# Altium PCB PCBDesign.PcbDoc (part 2 of 8) (continued)
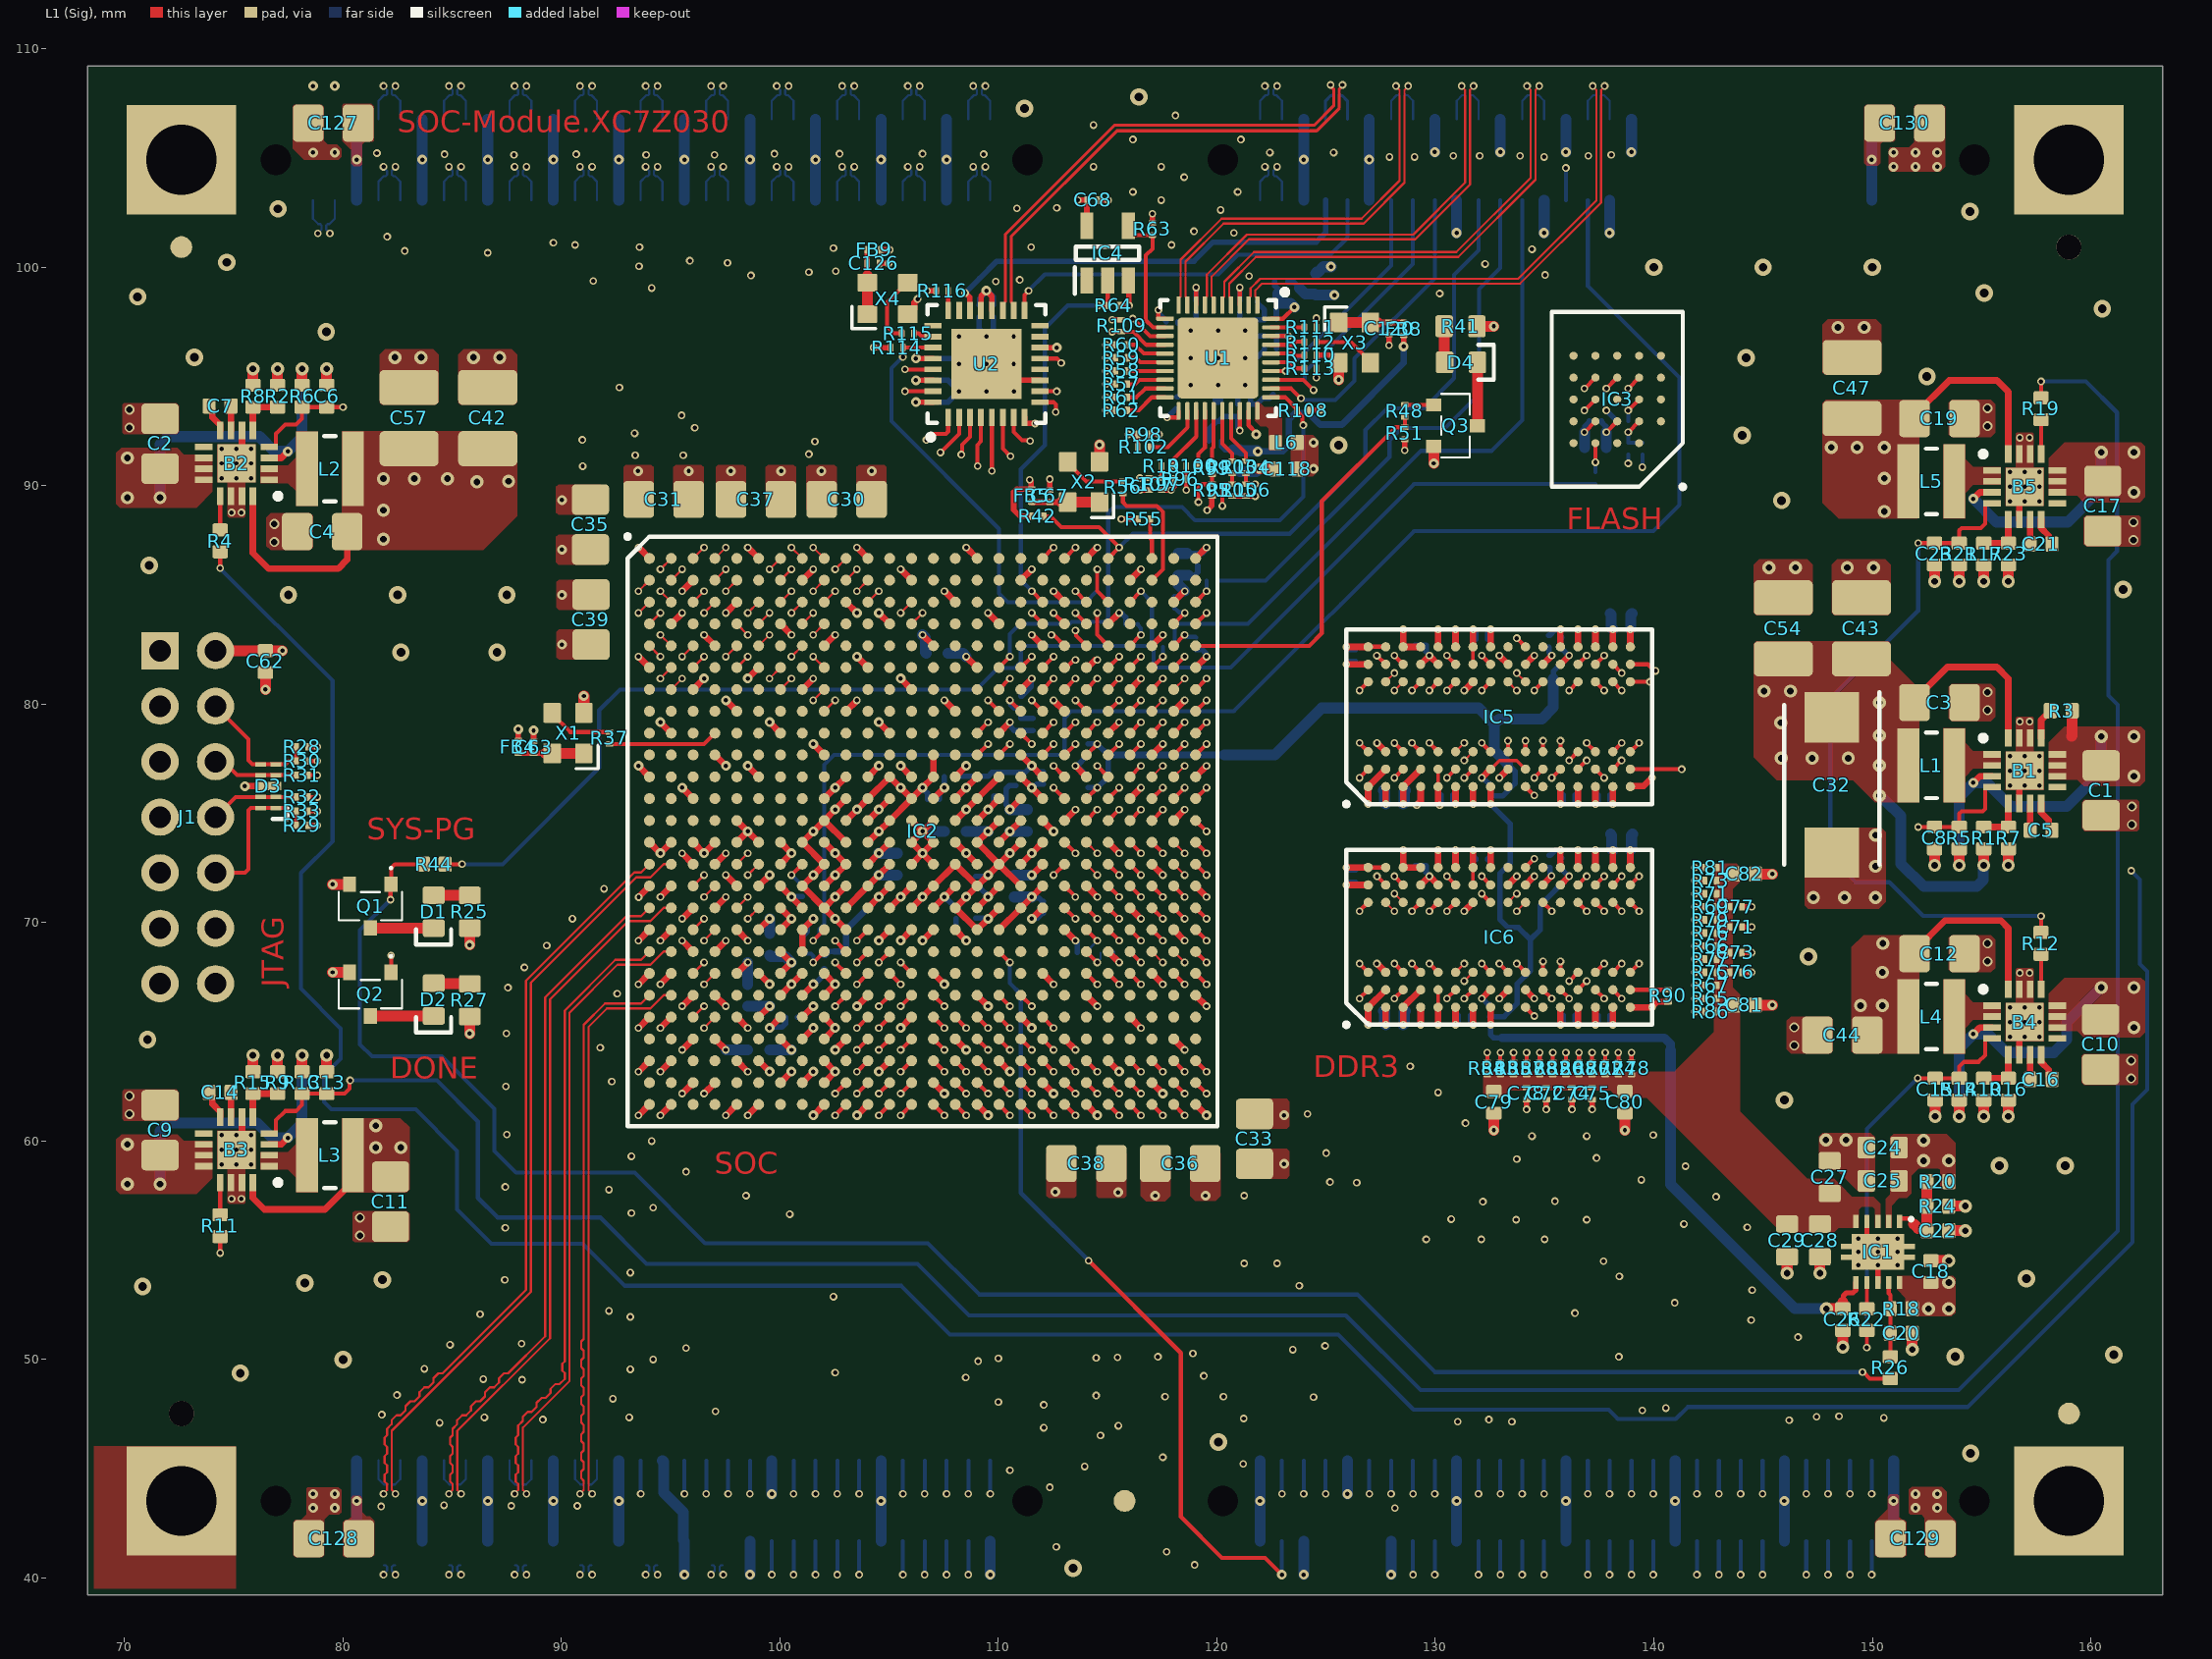
[diagram p0: L1 (Sig) view]
## Nets (pads, with @x,y where several pads share a name; then routed paths per layer and width w, separated by ;. In a path a pad name is that pad's centre, name@x,y a point inside that pad or via, vN(x,y) a via of type N, cw(c..) or ccw(c..) an arc to the next point about the centre after c; other vN are vias at no path point) (continued)
  L1 (Sig) w0.5: v3(155.1,61.125) R10.2@155.1,61.875
  L10 (Sig) w0.25: R91.2@115.225,68.625 115.225,68.475 v1(115.525,68.175) ; v1(125.925,71.725) 125.952,71.725 126.077,71.85 C101.2@126.35,71.85 ; v1(125.925,81.825) 125.952,81.825 126.077,81.95 C93.2@126.35,81.95 ; C102.2@128.525,72.6 v1(128.525,73.325) ; C91.2@128.525,82.7 v1(128.525,83.425) ; C100.2@130.125,72.6 v1(130.125,73.325) ; C87.2@130.125,82.7 v1(130.125,83.425) ; C88.2@130.8,75.85 130.8,75.577 130.925,75.452 v1(130.925,75.425) ; v1(130.925,65.325) 130.925,65.352 131.05,65.477 C99.2@131.05,65.75 ; v1(132.125,66.525) 132.15,66.525 132.425,66.25 C94.2@132.475,66.25 ; v1(132.125,76.625) 132.144,76.606 132.194,76.606 132.45,76.35 C83.2@132.5,76.35 ; C98.2@132.4,72.875 132.4,72.925 132.525,73.05 v1(132.525,73.325) ; C92.2@132.4,82.975 132.4,83.273 132.525,83.398 v1(132.525,83.425) ; C103.2@136.4,65.75 136.4,65.477 136.525,65.352 v1(136.525,65.325) ; C89.2@136.4,75.85 136.4,75.577 136.525,75.452 v1(136.525,75.425) ; C104.2@138,65.75 138,65.477 138.125,65.352 v1(138.125,65.325) ; C90.2@138,75.85 138,75.577 138.125,75.452 v1(138.125,75.425)
  L10 (Sig) w0.5: v1(128.525,65.325) 128.575,65.375 128.575,65.9 C97.2@128.625,65.95 ; v1(128.525,75.425) 128.575,75.475 128.575,76 C85.2@128.625,76.05 ; C86.2@138,84.15 138.05,84.1 138.05,83.5 v1(138.125,83.425) ; C96.2@138.025,74.05 138.075,74 138.075,73.375 v1(138.125,73.325)
  other v1: 119.525,77.177
  other v3: 152.35,59.1 153.5,59.1 152.35,60.025 149.463,66.2 150.462,66.2 150.463,67.725 150.475,69.048
+3V3: B5.16 C18.2 C19.2 C33.2 C36.2 C38.2 C45.2 C46.2 C47.2 C62.2 C65.2 C66.2 C68.2 C105.2 C106.2 C113.2 C121.2 C122.2 FB6.2 IC1.10 IC2.A26 IC2.AA16 IC2.AA26 IC2.AB13 IC2.AB23 IC2.AC10 IC2.AC20 IC2.AD17 IC2.AE14 IC2.AE24 IC2.AF11 IC2.AF21 IC2.B23 IC2.E24 IC2.T7 IC2.U8 IC2.V8 IC2.V12 IC2.V14 IC2.W8 IC2.Y19 IC3.B4 IC4.5 J1.2 L5.2 R17.2 R18.2 R21.1 R25.2 R27.2 R28.2 R29.2 R34.2 R35.2 R36.2 R41.2 R46.2 R55.1 R63.2 U1.29 U2.20 U2.21 | length 46.7
  L1 (Sig) w0.185: v1(136.825,92.45) IC3.B4@137.325,92.95
  L1 (Sig) w0.2: U1.29@121.45,93.425 121.45,92.768 121.8,92.418 v2(121.8,92.35)
  L1 (Sig) w0.25: R29.2@78.4,74.45 v1(78.825,74.45) ; R28.2@78.4,78.05 v1(78.825,78.05) ; U2.21@109.2,98.025 109.2,98.675 v2(109.45,98.925) 109.7,98.675 U2.20@109.7,98.025 ; v1(115.625,88.475) R55.1@116.4,88.475 ; R63.2@117.05,102.025 v1(117.05,102.45)
  L1 (Sig) w0.255: v1(113.625,103.075) C68.2@114.05,103.075 IC4.5@114.05,101.896
  L1 (Sig) w0.3: IC2.T7@100.025,71.675 v2(100.525,71.175) IC2.U8@101.025,70.675 ; IC2.W8@101.025,68.675 IC2.V8@101.025,69.675 v2(101.525,70.175) ; v2(102.525,64.175) IC2.AC10@103.025,64.675 ; v2(103.525,61.175) IC2.AF11@104.025,61.675 ; v2(104.525,69.175) IC2.V12@105.025,69.675 ; v2(105.525,65.175) IC2.AB13@106.025,65.675 ; v2(106.525,69.175) IC2.V14@107.025,69.675 ; IC2.AE14@107.025,62.675 v2(107.525,62.175) ; IC2.AA16@109.025,66.675 v2(109.525,66.175) ; IC2.AD17@110.025,63.675 v2(110.525,63.175) ; IC2.Y19@112.025,67.675 v1(112.525,67.175) ; IC2.AC20@113.025,64.675 v1(113.525,64.175) ; IC2.AF21@114.025,61.675 v2(114.525,61.175) ; IC2.AB23@116.025,65.675 v1(116.525,65.175) ; IC2.B23@116.025,85.675 v1(116.525,86.175) ; IC2.AE24@117.025,62.675 v2(117.525,62.175) ; IC2.E24@117.025,82.675 v1(117.525,83.175) ; IC2.AA26@119.025,66.675 v1(119.525,66.175) ; IC2.A26@119.025,86.675 v1(119.525,87.175) ; C19.2@151.932,93.075 151.932,93.239 153.518,94.825 155.7,94.825 156.225,94.3 B5.16@156.225,91.45
  L1 (Sig) w0.5: J1.2@74.165,82.445 74.167,82.448 76.447,82.448 C62.2@76.45,82.45 v2(77.225,82.45) ; v2(85.8,64.925) R27.2@85.8,65.7 ; v2(85.8,68.975) R25.2@85.8,69.75 ; R41.2@131.9,97.3 v2(132.675,97.3) ; v3(153.975,85.625) R21.1@153.975,86.375 ; v3(155.1,85.625) R17.2@155.1,86.375
  L10 (Sig) w0.25: v2(100.525,71.175) 100.55,71.2 R34.2@101.025,71.2 ; R35.2@101.025,69.125 101.025,69.375 101.25,69.6 R36.2@101.25,69.65 101.25,69.925 101.5,70.175 v2(101.525,70.175) ; C122.2@109.125,98.275 109.146,98.275 109.146,98.566 109.45,98.871 v2(109.45,98.925) 109.5,98.925 109.775,98.65 C121.2@109.775,98.275 ; 118.8,86.9 C45.2@119.125,86.9 119.325,86.9 119.506,87.081 119.506,87.156 v1(119.525,87.175) ; FB6.2@123.25,99.35 123.25,99.3 123.55,99.3 123.65,99.2 ; v1(136.825,92.45) 136.844,92.469 136.844,92.719 137.05,92.925 C65.2@137.05,92.975 ; v1(137.825,93.45) 138.275,93 R46.2@138.275,92.95
  L10 (Sig) w0.5: C46.2@118.225,86.9 118.625,86.9 ; 123.775,99.05 124.05,98.775 124.475,98.775 C113.2@124.525,98.725 v2(125.375,98.725) ; C66.2@136.825,91.75 v1(136.825,92.45)
  other v2: 119.475,57.5 112.6,57.675 123.075,58.957
  other v3: 152.575,52.325 153.5,52.325 153.5,53.525 150.55,88.825 150.55,90.338 148.125,91.75 149.3,91.75 150.55,91.75
+3V3ETH: C110.1 C111.1 C112.2 FB6.1 U1.11 U1.40 | length 5.3
  L1 (Sig) w0.2: v1(117.325,98.05) 117.325,97.65 U1.11@117.625,97.65 ; U1.40@122.475,97.65 123.025,97.65 v2(123.55,98.175)
  L10 (Sig) w0.25: v1(117.325,98.05) 117.344,98.031 117.344,97.881 117.675,97.55 C111.1@117.675,97.5 ; FB6.1@122.65,99.35 122.65,99.15 122.8,99 C112.2@122.8,98.8 ; C110.1@122.722,97.652 122.722,98.297 C112.2@122.85,98.425
  L10 (Sig) w0.5: C112.2@122.8,98.8 122.8,98.475 122.85,98.425 122.85,98.4 122.9,98.35 123.375,98.35 v2(123.55,98.175)
+5V0: B1.3 B1.10 B1.11 B1.12 B2.3 B2.10 B2.11 B2.12 B3.3 B3.10 B3.11 B3.12 B4.3 B4.10 B4.11 B4.12 B5.3 B5.10 B5.11 B5.12 C1.2 C2.2 C9.2 C10.2 C17.2 C127.2 C128.2 C129.2 C130.2 J2.1 J2.2 J2.3 J2.4 J2.5 J2.6 J3.1 J3.2 J3.3 J3.4 J4.62 J4.64 J5.61 J5.62 J5.63 J5.64 R3.1 R5.1 R6.1 R13.1 R14.1 | length 67.7
  L1 (Sig) w0.3: B3.3@76.625,59.85 77.175,59.85 v2(77.475,60.15) ; B2.3@76.625,91.275 77.175,91.275 v2(77.475,91.575) ; v2(154.625,64.9) 154.925,65.2 B4.3@155.475,65.2 ; v2(154.625,76.4) 154.925,76.7 B1.3@155.475,76.7 ; v2(154.625,89.4) 154.925,89.7 B5.3@155.475,89.7
  L1 (Sig) w0.5: R13.1@78.125,63.175 v3(78.125,63.925) ; R6.1@78.125,94.6 v3(78.125,95.35) ; v3(153.975,61.125) R14.1@153.975,61.875 ; v3(153.975,72.625) R5.1@153.975,73.375 ; 159.125,78.525 159.15,78.55 R3.1@159.15,79.7
  L10 (Sig) w0.5: v3(71.625,58.025) 71.625,60.475 71.975,60.825 76.075,60.825 76.75,60.15 v2(77.475,60.15) 78.125,60.8 v3(78.125,63.925) ; v3(71.625,89.45) 71.625,91.9 71.975,92.25 76.175,92.25 76.85,91.575 v2(77.475,91.575) 78.125,92.225 v3(78.125,95.35) ; v3(153.975,61.125) 153.975,64.25 v2(154.625,64.9) 155.3,64.9 156.15,64.05 158.3,64.05 158.889,64.639 158.889,65.439 v3(160.475,67.025) ; v3(153.975,72.625) 153.975,75.75 v2(154.625,76.4) 155.25,76.4 156.336,75.314 158.889,75.314 160.475,76.9 v3(160.475,78.525) ; v2(154.625,89.4) 155.686,88.339 158.939,88.339 160.475,89.875 v3(160.475,91.525)
  other v2: 78.625,43.2 79.625,43.2 151.975,43.2 152.975,43.2 78.625,43.85 79.625,43.85 151.975,43.85 152.975,43.85 150.975,104.6 151.975,104.6 152.975,104.6 78.625,105.25 79.625,105.25 150.975,105.25 151.975,105.25 152.975,105.25 78.625,108.3 79.625,108.3
  other v3: 70.125,58.025 70.125,59.85 161.975,65.2 161.975,67.025 161.975,76.7 161.975,78.525 70.125,89.45 161.975,89.7 70.125,91.275 161.975,91.525
B1_CN: B1.8 C5.1 | length 1.4
  L1 (Sig) w0.3: B1.8@157.725,75.45 157.725,75.039 158.075,74.689 158.075,74.375 C5.1@158.225,74.225
B1_CP: B1.7 C5.2 | length 1.1
  L1 (Sig) w0.3: C5.2@157.225,74.225 157.225,75.1 B1.7@157.225,75.35
B1_EN: B1.13 R3.2 | length 1.5
  L1 (Sig) w0.3: B1.13@157.725,78.45 157.725,79.275 157.95,79.5 158,79.5 158.15,79.65 R3.2@158.15,79.7
B1_FB: B1.5 R1.1 R7.2 | length 2.2
  L1 (Sig) w0.3: R1.1@155.1,74.375 R7.2@156.225,74.375 B1.5@156.225,75.45
B1_PG: B1.4 C8.2 R4.2 R5.2 | length 155.9
  L1 (Sig) w0.185: v1(74.375,86.225) R4.2@74.375,86.975 ; v1@152.1,74.375 C8.2@152.85,74.375 R5.2@153.975,74.375 153.975,74.992 154.083,75.1 155.059,75.1 155.168,75.208 155.168,76.142 155.225,76.2 B1.4@155.475,76.2
  L5 (Sig) w0.11: v1(152.1,74.375) 159.85,74.375 v1(161.85,72.375)
  L10 (Sig) w0.185: v1(74.375,86.225) 79.525,81.075 79.525,73.725 78.075,72.275 78.075,66.975 79.9,65.15 79.9,63.775 79.125,63 79.125,61.8 79.475,61.45 83.325,61.45 85.225,59.55 85.225,56.875 86.8,55.3 90.975,55.3 92.9,53.375 105.55,53.375 107.775,51.15 125.55,51.15 129,47.7 137.925,47.7 138.35,47.275 141,47.275 141.55,47.825 154.35,47.825 161.9,55.375 161.9,61.675 162.575,62.35 162.575,67.775 162.25,68.1 162.25,71.975 v1(161.85,72.375)
B1_SW: B1.1 B1.2 L1.1
B2_CN: B2.8 C7.1 | length 1.3
  L1 (Sig) w0.3: C7.1@73.875,93.65 74.025,93.5 74.025,93.125 74.375,92.775 B2.8@74.375,92.525
B2_CP: B2.7 C7.2 | length 1.1
  L1 (Sig) w0.3: B2.7@74.875,92.525 74.875,92.775 C7.2@74.875,93.65
B2_EN: B2.13 R4.1 | length 1.3
  L1 (Sig) w0.185: R4.1@74.375,88.25 B2.13@74.375,89.525
B2_FB: B2.5 R2.1 R8.2 | length 2.2
  L1 (Sig) w0.3: B2.5@75.875,92.525 R8.2@75.875,93.6 R2.1@77,93.6
B2_PG: B2.4 C6.2 R6.2 R11.2 | length 47.1
  L1 (Sig) w0.185: v1(74.375,54.875) R11.2@74.375,55.625 ; B2.4@76.625,91.775 76.875,91.775 76.932,91.833 76.932,92.382 77.35,92.8 77.85,92.8 78.125,93.075 R6.2@78.125,93.6 C6.2@79.25,93.6 v1(80,93.6)
  L3 (Sig) w0.11: v1(74.375,54.875) 73.675,55.575 73.675,63.35 77.675,67.35 77.675,81.325 80,83.65 v1(80,93.6)
B2_SW: B2.1 B2.2 L2.1
B3_CN: B3.8 C14.1 | length 1.3
  L1 (Sig) w0.3: C14.1@73.875,62.225 74.025,62.075 74.025,61.7 74.375,61.35 B3.8@74.375,61.1
B3_CP: B3.7 C14.2 | length 1.1
  L1 (Sig) w0.3: B3.7@74.875,61.1 74.875,61.35 C14.2@74.875,62.225
B3_EN: B3.13 R11.1 | length 1.3
  L1 (Sig) w0.185: R11.1@74.375,56.825 B3.13@74.375,58.1
B3_FB: B3.5 R9.1 R15.2 | length 2.2
  L1 (Sig) w0.3: B3.5@75.875,61.1 R15.2@75.875,62.175 R9.1@77,62.175
B3_PG: B3.4 C13.2 R13.2 R19.2 | length 140
  L1 (Sig) w0.185: B3.4@76.625,60.35 76.875,60.35 76.932,60.408 76.932,60.957 77.35,61.375 77.85,61.375 78.125,61.65 R13.2@78.125,62.175 C13.2@79.25,62.175 80.075,62.175 80.293,62.393 80.293,62.743 v1(80.325,62.775) ; R19.2@157.725,94.025 v1(157.725,94.775)
  L10 (Sig) w0.185: v1(80.325,62.775) 84.3,62.775 86.175,60.9 86.175,57.4 87.075,56.5 91.775,56.5 93.9,54.375 106.3,54.375 108.65,52.025 125.9,52.025 129.325,48.6 153.95,48.6 161.225,55.875 161.225,79.975 160.8,80.4 160.8,86.6 161.2,87 161.2,93.35 159.775,94.775 v1(157.725,94.775)
B3_SW: B3.1 B3.2 L3.1
B4_CN: B4.8 C16.1 | length 1
  L1 (Sig) w0.3: B4.8@157.725,63.612 158.075,63.262 158.075,62.975 C16.1@158.225,62.825
B4_CP: B4.7 C16.2 | length 1.1
  L1 (Sig) w0.3: C16.2@157.225,62.825 157.225,63.7 B4.7@157.225,63.95
B4_EN: B4.13 R12.1 | length 1.6
  L1 (Sig) w0.185: B4.13@157.725,66.95 R12.1@157.725,68.55
B4_FB: B4.5 R10.1 R16.2 | length 2.2
  L1 (Sig) w0.3: R10.1@155.1,62.875 R16.2@156.225,62.875 B4.5@156.225,63.95
B4_PG: B4.4 C15.2 R14.2 R22.1 | length 18.9
  L1 (Sig) w0.185: v1(149.75,50.55) R22.1@149.75,51.325 ; v1(152.075,62.875) C15.2@152.875,62.875 R14.2@153.975,62.875 153.975,63.407 154.193,63.625 154.861,63.625 155.168,63.931 155.168,64.642 155.225,64.7 B4.4@155.475,64.7
  L10 (Sig) w0.185: v1(149.75,50.55) 149.75,60.55 v1(152.075,62.875)
B4_SW: B4.1 B4.2 L4.1
B5_CN: B5.8 C21.1 | length 1.3
  L1 (Sig) w0.3: B5.8@157.725,88.45 157.725,88.064 158.075,87.714 158.075,87.701 158.075,87.475 C21.1@158.225,87.325
B5_CP: B5.7 C21.2 | length 1.1
  L1 (Sig) w0.3: C21.2@157.225,87.325 157.225,88.2 B5.7@157.225,88.45
B5_EN: B5.13 R19.1 | length 1.6
  L1 (Sig) w0.185: B5.13@157.725,91.45 R19.1@157.725,93.025
B5_FB: B5.5 R17.1 R23.2 | length 2.2
  L1 (Sig) w0.3: R17.1@155.1,87.375 R23.2@156.225,87.375 B5.5@156.225,88.45
B5_PG: B5.4 C23.2 R12.2 R21.2 | length 32.5
  L1 (Sig) w0.185: v1(152.1,87.375) C23.2@152.85,87.375 R21.2@153.975,87.375 153.975,87.956 154.083,88.064 154.964,88.064 155.168,88.268 155.168,89.143 155.225,89.2 B5.4@155.475,89.2 ; R12.2@157.725,69.55 v1(157.725,70.3)
  L10 (Sig) w0.185: v1(152.1,87.375) 152.1,84.275 148.075,80.25 148.075,73 149.225,71.85 150.775,71.85 152.325,70.3 v1(157.725,70.3)
B5_SW: B5.1 B5.2 L5.1
B12_IO1N: IC2.Y11 J5.30 | length 52.2
  L1 (Sig) w0.185: v1(103.525,67.175) IC2.Y11@104.025,67.675
  L5 (Sig) w0.11: v1(95.625,43.85) 95.625,43.239 95.689,43.175 96.686,43.175 96.75,43.111 96.75,40.739 96.686,40.675 94.689,40.675 94.625,40.739 94.625,44.95 94.625,45.515 94.689,45.579 95.736,45.579 95.787,45.63 95.787,46.038 95.736,46.089 94.661,46.089 94.61,46.14 94.61,46.548 94.661,46.599 95.736,46.599 95.787,46.65 95.787,47.058 95.736,47.109 94.661,47.109 94.61,47.16 94.61,47.568 94.661,47.619 95.736,47.619 95.787,47.67 95.787,48.078 95.736,48.129 94.661,48.129 94.61,48.18 94.61,48.588 94.661,48.639 95.736,48.639 95.787,48.69 95.787,49.098 95.736,49.149 94.689,49.149 94.625,49.214 94.625,49.637 94.625,51.961 94.689,52.025 99.211,52.025 99.275,52.089 99.275,53.411 99.339,53.475 100.486,53.475 100.55,53.539 100.55,54.05 100.025,54.575 100.025,64.35 101.325,65.65 101.825,65.65 102.05,65.875 102.05,66.275 102.45,66.675 103.461,66.675 103.525,66.739 v1(103.525,67.175)
  L10 (Sig) w0.185: v1(95.625,43.85) J5.30@95.625,45.375
B12_IO1P: IC2.Y12 J5.7 | length 51.7
  L1 (Sig) w0.185: IC2.Y12@105.025,67.675 v1(105.525,67.175)
  L5 (Sig) w0.11: v1(105.525,67.175) 106.525,66.175 106.525,55.125 110.1,51.55 119.2,51.55 119.85,50.9 119.85,48.075 119.425,47.65 113.575,47.65 113.15,47.225 113.15,43.475 111.875,42.2 108.05,42.2 106.625,40.775 v1(106.625,40.15)
  L10 (Sig) w0.185: v1(106.625,40.15) J5.7@106.625,41.675
B12_IO2N: IC2.AC11 J3.47 | length 48
  L1 (Sig) w0.185: v1(103.525,64.175) IC2.AC11@104.025,64.675
  L7 (Sig) w0.11: v1(103.525,64.175) 103.025,63.675 103.025,57.675 108.775,51.925 119.3,51.925 123.55,47.675 129.7,47.675 129.975,47.4 129.975,44.539 129.911,44.475 129.564,44.475 129.5,44.411 129.5,43.7 129.975,43.225 v1(129.975,40.15)
  L10 (Sig) w0.185: v1(129.975,40.15) J3.47@129.975,41.675
B12_IO2P: IC2.AB12 J3.43 | length 49.7
  L1 (Sig) w0.185: v1(104.525,65.175) IC2.AB12@105.025,65.675
  L7 (Sig) w0.11: v1(104.525,65.175) 104.025,64.675 104.025,58.075 108.8,53.3 119.575,53.3 124.05,48.825 130.725,48.825 131.975,47.575 131.975,44.85 131.475,44.35 131.475,43.725 131.975,43.225 v1(131.975,40.15)
  L10 (Sig) w0.185: v1(131.975,40.15) J3.43@131.975,41.675
B12_IO3N: IC2.AA10 J5.21 | length 52.4
  L1 (Sig) w0.185: v1(102.525,66.175) IC2.AA10@103.025,66.675
  L7 (Sig) w0.11: v1(99.625,40.15) 99.625,42.986 99.561,43.05 99.225,43.05 99.15,43.125 99.15,44.561 99.214,44.625 99.561,44.625 99.625,44.689 99.625,46.85 99.875,47.1 107.561,47.1 107.625,47.164 107.625,50.314 106.969,50.969 106.931,51.008 106.839,51.008 106.024,50.193 105.952,50.193 105.664,50.482 105.664,50.554 106.494,51.384 106.494,51.457 106.206,51.745 106.134,51.745 105.303,50.914 105.231,50.914 104.942,51.203 104.942,51.275 105.773,52.106 105.773,52.178 105.484,52.466 105.412,52.466 104.582,51.636 104.51,51.636 104.221,51.924 104.221,51.996 105.052,52.827 105.052,52.899 104.763,53.188 104.691,53.188 103.861,52.357 103.788,52.357 103.5,52.645 103.5,52.718 104.331,53.548 104.331,53.62 104.042,53.909 103.97,53.909 103.139,53.078 103.067,53.078 102.779,53.367 102.779,53.439 103.594,54.254 103.594,54.345 103.01,54.929 102.971,54.968 100.932,57.007 100.932,63.082 101.025,63.175 101.025,63.975 102.025,64.975 102.025,65.675 v1(102.525,66.175)
  L10 (Sig) w0.185: v1(99.625,40.15) J5.21@99.625,41.675
B12_IO3P: IC2.Y10 J5.34 | length 52.3
  L1 (Sig) w0.185: v1(102.525,68.175) IC2.Y10@103.025,67.675
  L5 (Sig) w0.11: v1(93.625,43.85) 93.625,58.011 93.689,58.075 94.1,58.075 95.027,58.075 95.114,57.988 95.114,54.209 95.201,54.121 95.899,54.121 95.986,54.209 95.986,57.988 96.073,58.075 96.875,58.075 97.386,58.075 97.45,58.011 97.45,52.789 97.514,52.725 98.361,52.725 98.425,52.789 98.425,54.161 98.489,54.225 98.961,54.225 99.025,54.289 99.025,64 100.05,65.025 100.05,65.85 100.875,66.675 101.75,66.675 102.05,66.975 102.05,68.111 102.114,68.175 v1(102.525,68.175)
  L10 (Sig) w0.185: v1(93.625,43.85) J5.34@93.625,45.375
B12_IO4P: IC2.AB11 J3.49 | length 50.4
  L1 (Sig) w0.185: v1(103.525,65.175) IC2.AB11@104.025,65.675
  L7 (Sig) w0.11: v1(103.525,65.175) 103.025,64.675 102.275,64.675 102.025,64.425 102.025,57.225 108.2,51.05 119,51.05 123.225,46.825 129.136,46.825 129.2,46.761 129.2,45.189 129.136,45.125 128.539,45.125 128.475,45.061 128.475,43.439 128.539,43.375 128.911,43.375 128.975,43.311 v1(128.975,40.15)
  L10 (Sig) w0.185: v1(128.975,40.15) J3.49@128.975,41.675
B12_IO5N: IC2.Y13 J5.10 | length 52.5
  L1 (Sig) w0.185: v1(105.525,68.175) IC2.Y13@106.025,67.675
  L3 (Sig) w0.11: v1(105.525,68.175) 106.525,67.175 106.525,67.002 106.525,66.847 106.461,66.783 106.412,66.783 106.361,66.732 106.361,66.324 106.412,66.273 106.838,66.273 106.889,66.222 106.889,65.814 106.838,65.763 106.412,65.763 106.361,65.712 106.361,65.304 106.412,65.253 106.838,65.253 106.889,65.202 106.889,64.794 106.838,64.743 106.412,64.743 106.361,64.692 106.361,64.284 106.412,64.233 106.838,64.233 106.889,64.182 106.889,63.774 106.838,63.723 106.412,63.723 106.361,63.672 106.361,63.264 106.412,63.213 106.838,63.213 106.889,63.162 106.889,62.754 106.838,62.703 106.412,62.703 106.361,62.652 106.361,62.244 106.412,62.193 106.838,62.193 106.889,62.142 106.889,61.734 106.838,61.683 106.412,61.683 106.361,61.632 106.361,61.224 106.412,61.173 106.461,61.173 106.525,61.109 106.525,61.054 106.525,60.462 106.525,60.264 106.461,60.199 105.982,60.199 105.931,60.148 105.931,59.74 105.982,59.689 106.837,59.689 106.888,59.638 106.888,59.23 106.837,59.179 105.982,59.179 105.931,59.128 105.931,58.72 105.982,58.669 106.461,58.669 106.525,58.605 106.525,58.55 106.525,58.039 106.461,57.975 104.739,57.975 104.675,57.911 104.675,56.789 104.611,56.725 101.214,56.725 101.15,56.661 101.15,56.5 101.15,56.119 101.214,56.054 102.353,56.054 102.404,56.003 102.404,55.595 102.353,55.544 100.998,55.544 100.947,55.493 100.947,55.085 100.998,55.034 102.353,55.034 102.404,54.983 102.404,54.575 102.353,54.524 100.998,54.524 100.947,54.473 100.947,54.065 100.998,54.014 102.353,54.014 102.404,53.963 102.404,53.555 102.353,53.504 100.998,53.504 100.947,53.453 100.947,53.045 100.998,52.994 101.086,52.994 101.15,52.93 101.15,52.875 101.15,52.389 101.214,52.325 102.986,52.325 103.05,52.261 103.05,48.764 103.114,48.7 104.286,48.7 104.35,48.636 104.35,44.589 104.414,44.525 105.561,44.525 105.625,44.461 v1(105.625,43.85)
  L10 (Sig) w0.185: v1(105.625,43.85) J5.10@105.625,45.375
B12_IO6N: IC2.AA12 J5.28 | length 52.1
  L1 (Sig) w0.185: v1(104.525,66.175) IC2.AA12@105.025,66.675
  L5 (Sig) w0.11: v1(96.625,43.85) 96.625,51.386 96.689,51.45 97.386,51.45 97.45,51.386 97.45,44.914 97.514,44.85 98.211,44.85 98.275,44.914 98.275,51.361 98.339,51.425 99.111,51.425 99.175,51.361 99.175,49.464 99.239,49.4 99.911,49.4 99.975,49.464 99.975,52.911 100.039,52.975 101.786,52.975 101.85,53.039 101.85,53.55 101.025,54.375 101.025,64.6 101.1,64.675 103.961,64.675 104.025,64.739 104.025,67.011 104.089,67.075 104.461,67.075 104.525,67.011 v1(104.525,66.175)
  L10 (Sig) w0.185: v1(96.625,43.85) J5.28@96.625,45.375
B12_IO6P: IC2.AA13 J3.41 | length 52.3
  L1 (Sig) w0.185: v1(105.525,66.175) IC2.AA13@106.025,66.675
  L7 (Sig) w0.11: v1(105.525,66.175) 105,65.65 105,58.475 109.325,54.15 120.325,54.15 124.7,49.775 132.9,49.775 133.05,49.625 133.05,44.314 132.986,44.25 132.539,44.25 132.475,44.186 132.475,43.514 132.539,43.45 132.911,43.45 132.975,43.386 v1(132.975,40.15)
  L10 (Sig) w0.185: v1(132.975,40.15) J3.41@132.975,41.675
B12_IO7P: IC2.AE10 J5.19 | length 51
  L1 (Sig) w0.185: v1(102.525,62.175) IC2.AE10@103.025,62.675
  L5 (Sig) w0.11: v1(100.625,40.15) 100.625,40.6 100.625,40.655 100.561,40.719 97.444,40.719 97.393,40.77 97.393,41.178 97.444,41.229 100.648,41.229 100.699,41.28 100.699,41.688 100.648,41.739 97.444,41.739 97.393,41.79 97.393,42.198 97.444,42.249 100.561,42.249 100.625,42.314 100.625,42.517 100.625,43.411 100.561,43.475 100.239,43.475 100.175,43.539 100.175,44.15 100.725,44.7 100.725,44.975 100.725,45.03 100.661,45.094 99.73,45.094 99.679,45.145 99.679,45.553 99.73,45.604 101.018,45.604 101.069,45.655 101.069,46.063 101.018,46.114 99.73,46.114 99.679,46.165 99.679,46.573 99.73,46.624 101.018,46.624 101.069,46.675 101.069,47.083 101.018,47.134 99.73,47.134 99.679,47.185 99.679,47.593 99.73,47.644 101.018,47.644 101.069,47.695 101.069,48.103 101.018,48.154 99.73,48.154 99.679,48.205 99.679,48.613 99.73,48.664 100.661,48.664 100.725,48.729 100.725,48.8 100.725,52.336 100.789,52.4 103.361,52.4 103.425,52.464 103.425,53.1 102.025,54.5 102.025,61.675 v1(102.525,62.175)
  L10 (Sig) w0.185: v1(100.625,40.15) J5.19@100.625,41.675
B12_IO8N: IC2.AF12 J5.18 | length 48.6
  L1 (Sig) w0.185: v1(104.525,61.175) IC2.AF12@105.025,61.675
  L3 (Sig) w0.11: v1(101.625,43.85) 101.625,44.158 101.625,44.213 101.561,44.277 101.073,44.277 101.022,44.328 101.022,44.736 101.073,44.787 102.041,44.787 102.092,44.838 102.092,45.246 102.041,45.297 101.073,45.297 101.022,45.348 101.022,45.756 101.073,45.807 102.041,45.807 102.092,45.858 102.092,46.266 102.041,46.317 101.073,46.317 101.022,46.368 101.022,46.776 101.073,46.827 102.041,46.827 102.092,46.878 102.092,47.286 102.041,47.337 101.689,47.337 101.625,47.401 101.625,47.6 101.55,47.675 101.499,47.726 100.889,47.726 100.825,47.79 100.825,48.536 100.761,48.6 98.739,48.6 98.675,48.664 98.675,49.05 98.333,49.392 98.333,49.483 98.792,49.942 98.792,50.033 97.175,51.65 96.564,51.65 96.5,51.714 96.5,51.873 96.5,51.928 96.436,51.993 96.285,51.993 96.234,52.044 96.234,52.452 96.285,52.503 97.15,52.503 97.201,52.554 97.201,52.962 97.15,53.013 96.285,53.013 96.234,53.064 96.234,53.472 96.285,53.523 97.15,53.523 97.201,53.574 97.201,53.982 97.15,54.033 96.285,54.033 96.234,54.084 96.234,54.492 96.285,54.543 97.15,54.543 97.201,54.594 97.201,55.002 97.15,55.053 96.285,55.053 96.234,55.104 96.234,55.512 96.285,55.563 97.15,55.563 97.201,55.614 97.201,56.022 97.15,56.073 96.285,56.073 96.234,56.124 96.234,56.532 96.285,56.583 97.15,56.583 97.201,56.634 97.201,57.042 97.15,57.093 96.285,57.093 96.234,57.144 96.234,57.552 96.285,57.603 97.15,57.603 97.201,57.654 97.201,58.062 97.15,58.113 96.564,58.113 96.5,58.177 96.5,58.505 96.5,58.511 96.564,58.575 102.786,58.575 102.85,58.639 102.85,59.586 102.914,59.65 104.461,59.65 104.525,59.714 v1(104.525,61.175)
  L10 (Sig) w0.185: v1(101.625,43.85) J5.18@101.625,45.375
B12_IO8P: IC2.AE12 J5.20 | length 50.8
  L1 (Sig) w0.185: v1(104.525,62.175) IC2.AE12@105.025,62.675
  L3 (Sig) w0.11: v1(100.625,43.85) 100.625,45.811 100.561,45.875 99.964,45.875 99.9,45.811 99.9,44.414 99.836,44.35 99.189,44.35 99.125,44.414 99.125,45.811 99.061,45.875 98.139,45.875 98.075,45.939 98.075,45.95 98.075,46.461 98.139,46.526 100.186,46.526 100.237,46.577 100.237,46.985 100.186,47.036 98.122,47.036 98.071,47.087 98.071,47.495 98.122,47.546 100.186,47.546 100.237,47.597 100.237,48.005 100.186,48.056 98.139,48.056 98.075,48.12 98.075,48.175 98.075,48.9 97.838,49.137 97.799,49.176 97.707,49.176 97.467,48.936 97.395,48.936 97.106,49.224 97.106,49.297 97.872,50.062 97.872,50.135 97.584,50.423 97.512,50.423 96.746,49.657 96.674,49.657 96.385,49.946 96.385,50.018 97.151,50.784 97.151,50.856 96.862,51.144 96.79,51.144 96.356,50.71 96.265,50.71 96.112,50.863 95.825,51.15 95.825,57.911 95.761,57.975 95.014,57.975 94.95,58.039 94.95,59.061 95.014,59.125 102.261,59.125 102.325,59.189 102.325,60.111 102.389,60.175 103.961,60.175 104.025,60.239 104.025,62.586 104.089,62.65 104.461,62.65 104.525,62.586 v1(104.525,62.175)
  L10 (Sig) w0.185: v1(100.625,43.85) J5.20@100.625,45.375
B12_IO9N: IC2.AF10 J5.26 | length 46.5
  L1 (Sig) w0.185: v1(102.525,61.175) IC2.AF10@103.025,61.675
  L3 (Sig) w0.11: v1(97.625,43.85) 97.625,44.461 97.561,44.525 96.189,44.525 96.125,44.589 96.125,44.923 96.125,44.978 96.061,45.043 95.928,45.043 95.877,45.094 95.877,45.502 95.928,45.553 96.768,45.553 96.819,45.604 96.819,46.012 96.768,46.063 95.928,46.063 95.877,46.114 95.877,46.522 95.928,46.573 96.768,46.573 96.819,46.624 96.819,47.032 96.768,47.083 96.092,47.083 96.001,47.174 95.913,47.262 95.874,47.301 95.782,47.301 95.628,47.147 95.555,47.147 95.267,47.435 95.267,47.507 95.894,48.134 95.894,48.206 95.605,48.495 95.533,48.495 94.906,47.868 94.834,47.868 94.546,48.156 94.546,48.228 95.173,48.855 95.173,48.927 94.884,49.216 94.812,49.216 94.185,48.589 94.113,48.589 93.824,48.878 93.824,48.95 93.979,49.105 93.979,49.196 93.844,49.331 93.805,49.37 93.725,49.45 93.725,50.05 93.725,50.105 93.661,50.169 93.511,50.169 93.46,50.22 93.46,50.628 93.511,50.679 94.07,50.679 94.121,50.73 94.121,51.138 94.07,51.189 93.511,51.189 93.46,51.24 93.46,51.648 93.511,51.699 94.07,51.699 94.121,51.75 94.121,52.158 94.07,52.209 93.511,52.209 93.46,52.26 93.46,52.668 93.511,52.719 94.07,52.719 94.121,52.77 94.121,53.178 94.07,53.229 93.511,53.229 93.46,53.28 93.46,53.688 93.511,53.739 94.07,53.739 94.121,53.79 94.121,54.198 94.07,54.249 93.511,54.249 93.46,54.3 93.46,54.708 93.511,54.759 94.07,54.759 94.121,54.81 94.121,55.218 94.07,55.269 93.511,55.269 93.46,55.32 93.46,55.728 93.511,55.779 94.07,55.779 94.121,55.83 94.121,56.238 94.07,56.289 93.789,56.289 93.725,56.354 93.725,56.793 93.725,60.311 93.789,60.375 100.661,60.375 100.725,60.439 100.725,60.475 100.725,61.611 100.789,61.675 102.461,61.675 102.525,61.611 v1(102.525,61.175)
  L10 (Sig) w0.185: v1(97.625,43.85) J5.26@97.625,45.375
B12_IO9P: IC2.AE11 J5.24 | length 46.6
  L1 (Sig) w0.185: v1(103.525,62.175) IC2.AE11@104.025,62.675
  L3 (Sig) w0.11: v1(98.625,43.85) 98.625,45.136 98.561,45.2 97.589,45.2 97.525,45.264 97.525,47.9 97.063,48.363 97.024,48.401 96.932,48.401 96.594,48.063 96.522,48.063 96.233,48.351 96.233,48.423 96.783,48.973 96.783,49.045 96.495,49.334 96.423,49.334 95.873,48.784 95.801,48.784 95.512,49.073 95.512,49.145 96.062,49.695 96.062,49.767 95.773,50.055 95.701,50.055 95.151,49.505 95.079,49.505 94.791,49.794 94.791,49.866 95.129,50.205 95.129,50.296 95.125,50.3 95.125,50.475 95.125,51.075 95.125,51.13 95.061,51.194 94.709,51.194 94.658,51.245 94.658,51.653 94.709,51.704 95.198,51.704 95.249,51.755 95.249,52.163 95.198,52.214 94.709,52.214 94.658,52.265 94.658,52.673 94.709,52.724 95.198,52.724 95.249,52.775 95.249,53.183 95.198,53.234 94.709,53.234 94.658,53.285 94.658,53.693 94.709,53.744 95.198,53.744 95.249,53.795 95.249,54.203 95.198,54.254 94.709,54.254 94.658,54.305 94.658,54.713 94.709,54.764 95.198,54.764 95.249,54.815 95.249,55.223 95.198,55.274 94.709,55.274 94.658,55.325 94.658,55.733 94.709,55.784 95.198,55.784 95.249,55.835 95.249,56.243 95.198,56.294 94.709,56.294 94.658,56.345 94.658,56.753 94.709,56.804 95.061,56.804 95.125,56.869 95.125,57.279 95.125,57.311 95.061,57.375 94.439,57.375 94.375,57.439 94.375,59.636 94.439,59.7 101.536,59.7 101.6,59.764 101.6,60.586 101.664,60.65 102.961,60.65 103.025,60.714 103.025,63.736 103.089,63.8 103.961,63.8 104.025,63.736 104.025,63.125 103.525,62.625 v1(103.525,62.175)
  L10 (Sig) w0.185: v1(98.625,43.85) J5.24@98.625,45.375